# Altium PCB 智能马桶综合检测台_数据板V1.0.PcbDoc (part 2 of 8)
Units mil, origin at the board's own origin, x right, y up, seen from the top; angles counter-clockwise.
Board outline 5580 x 4007.36 mil, 2 copper layers (Top Layer, Bottom Layer); 109 components, 92 nets, 426 pads, 50 vias.
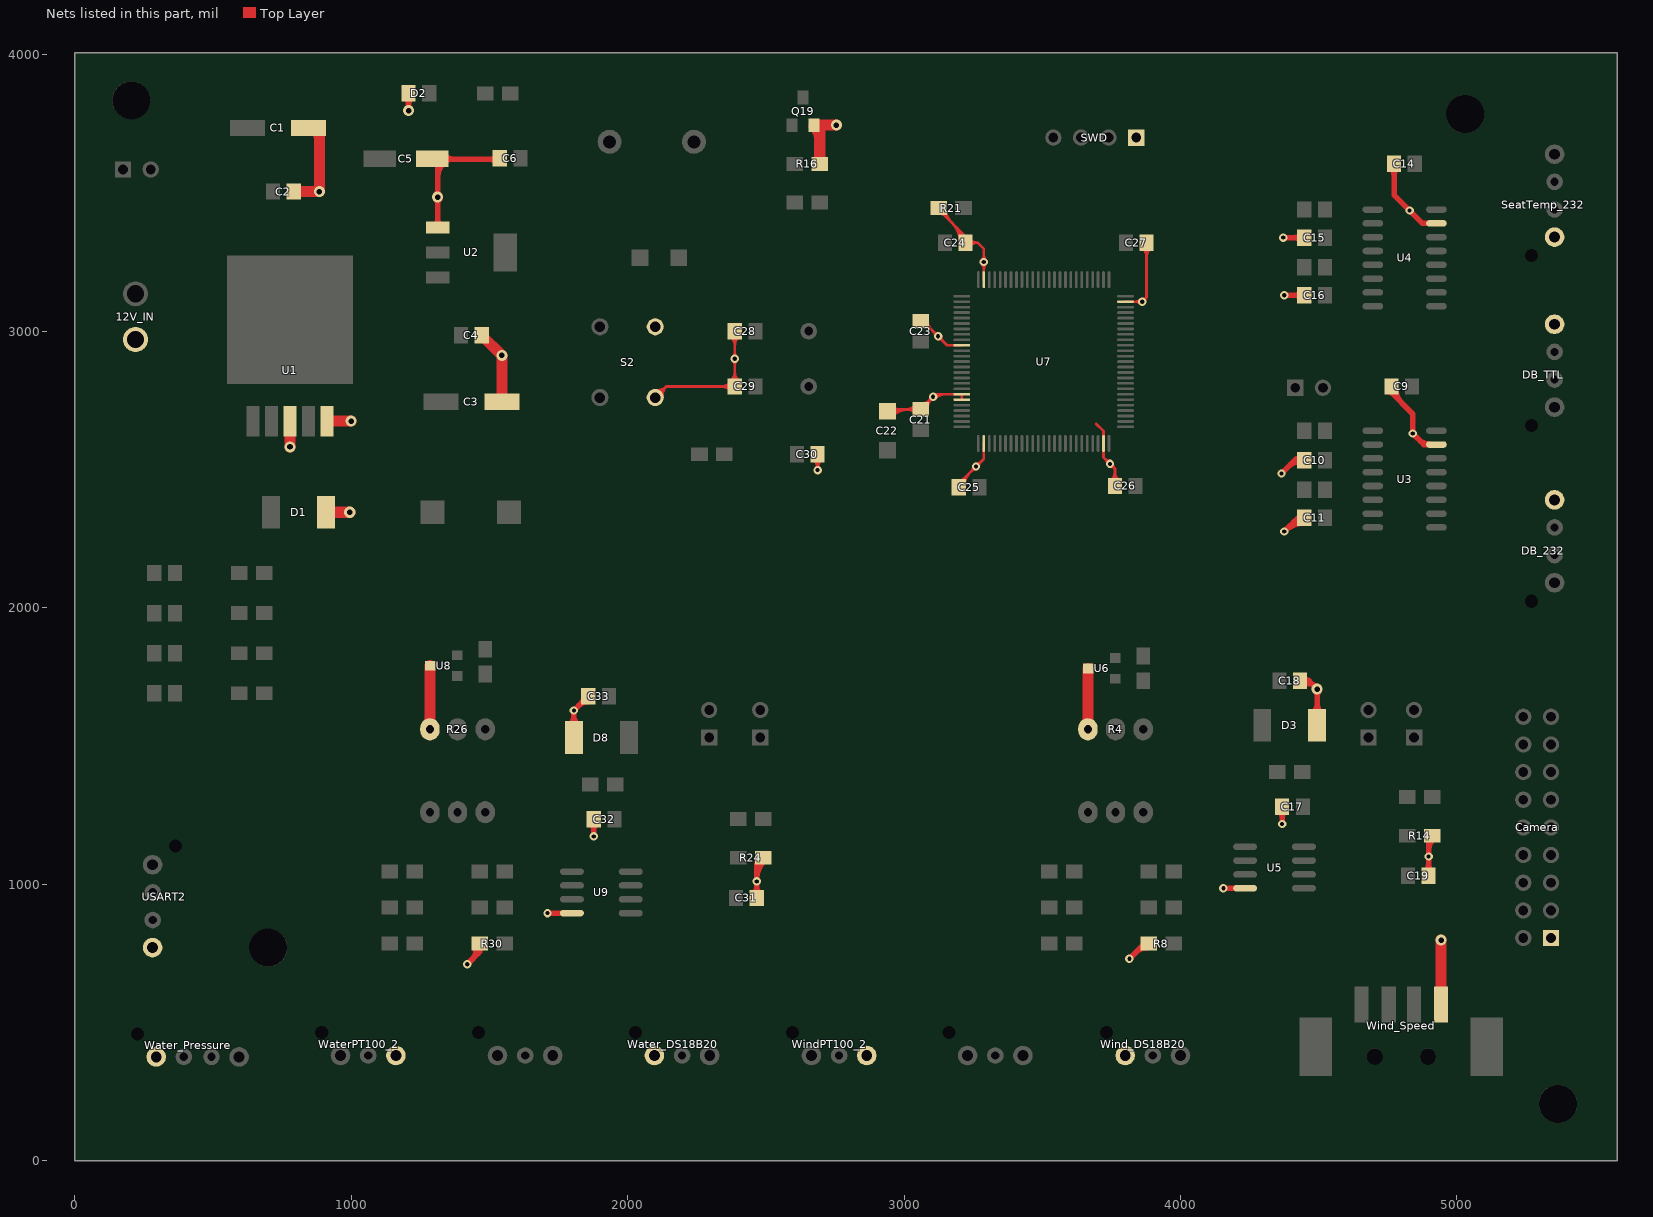
[diagram p2: the nets of this part, all layers, seen from the top]

## Via types
v1: diameter 30, hole 15, Top Layer to Bottom Layer, 31 vias
v2: diameter 40, hole 20, Top Layer to Bottom Layer, 19 vias

## Nets (pads, with @x,y where several pads share a name; then routed paths per layer and width w, separated by ;. In a path a pad name is that pad's centre, name@x,y a point inside that pad or via, vN(x,y) a via of type N, cw(c..) or ccw(c..) an arc to the next point about the centre after c; other vN are vias at no path point) (continued)
AGND: 12V_IN.2 C1.2 C2.1 C3.2 C4.1 C5.2 C6.1 C9.1 C10.1 C11.1 C14.1 C15.1 C16.1 C17.2 C18.1 C19.2 C21.1 C22.2 C23.2 C24.2 C25.2 C26.2 C27.2 C28.1 C29.1 C30.2 C31.2 C32.2 C33.1 Camera.1 D1.1 D2.2 D3.1 D8.1 DB_232.4 DB_TTL.4 Q19.2 R4.2 R8.2 R14.1 R16.2 R21.2 R24.1 R26.2 R30.2 S2.2 SeatTemp_232.1 SWD.1 U1.3@778.86,2675 U1.5 U2.1 U3.15 U4.15 U5.4 U6.3 U7.10 U7.19 U7.20 U7.27 U7.49 U7.74 U7.99 U8.3 U9.4 USART2.4 Water_DS18B20.1 Water_Pressure.1 WaterPT100_2.3 Wind_DS18B20.1 Wind_Speed.4 WindPT100_2.3 | length 32439.9
  Top Layer w10: S2.2@2100,2760 2140,2800 ; C28.1@2387.6,3000 C29.1@2387.6,2800 2140,2800 ; v1(2687.4,2497.4) C30.2@2687.4,2555 ; C22.2@2947.6,2717.4 C21.1@3060,2717.4 3114.49,2771.89 U7.19@3208.74,2771.89 U7.20@3208.74,2752.2 ; C23.2@3060,3037.4 3067.6,3037.4 3155.94,2949.06 U7.10@3208.74,2949.06 ; R21.2@3125,3445 3125,3440 3222.4,3342.6 C24.2@3222.4,3320 3265,3320 ; C25.2@3197.6,2435 3197.6,2447.6 3288.46,2538.46 U7.27@3288.46,2593.74 ; U7.99@3288.46,3186.26 3288.46,3296.54 3265,3320 ; 3695,2665 3721.54,2638.46 3721.54,2543.46 3762.6,2502.4 C26.2@3762.6,2440 ; U7.74@3801.26,3106.54 v1(3861.54,3106.54) 3877.4,3122.4 ; C27.2@3877.4,3320 3877.4,3122.4 ; S2.2@2101.22,2775.95 ccw(c2103.5,2805.73) 2124.61,2784.61 ; S2.2@2101.22,2775.95 ccw(c2103.5,2805.73) 2124.61,2784.61 ; S2.2@2101.22,2775.95 ccw(c2103.5,2805.73) 2124.61,2784.61 ; S2.2@2101.22,2775.95 ccw(c2103.5,2805.73) 2124.61,2784.61 ; S2.2@2101.22,2775.95 ccw(c2103.5,2805.73) 2124.61,2784.61 ; S2.2@2101.22,2775.95 ccw(c2103.5,2805.73) 2124.61,2784.61 ; S2.2@2101.98,2785.92 ccw(c2105.68,2834.32) 2140,2800 ; S2.2@2101.98,2785.92 ccw(c2105.68,2834.32) 2140,2800 ; S2.2@2101.98,2785.92 ccw(c2105.68,2834.32) 2140,2800 ; S2.2@2101.98,2785.92 ccw(c2105.68,2834.32) 2140,2800 ; S2.2@2101.98,2785.92 ccw(c2105.68,2834.32) 2140,2800 ; S2.2@2101.98,2785.92 ccw(c2105.68,2834.32) 2140,2800 ; S2.2@2115.95,2761.22 cw(c2145.73,2763.5) 2124.61,2784.61 ; S2.2@2115.95,2761.22 cw(c2145.73,2763.5) 2124.61,2784.61 ; S2.2@2115.95,2761.22 cw(c2145.73,2763.5) 2124.61,2784.61 ; S2.2@2115.95,2761.22 cw(c2145.73,2763.5) 2124.61,2784.61 ; S2.2@2115.95,2761.22 cw(c2145.73,2763.5) 2124.61,2784.61 ; S2.2@2115.95,2761.22 cw(c2145.73,2763.5) 2124.61,2784.61 ; S2.2@2125.92,2761.98 cw(c2174.32,2765.68) 2140,2800 ; S2.2@2125.92,2761.98 cw(c2174.32,2765.68) 2140,2800 ; S2.2@2125.92,2761.98 cw(c2174.32,2765.68) 2140,2800 ; S2.2@2125.92,2761.98 cw(c2174.32,2765.68) 2140,2800 ; S2.2@2125.92,2761.98 cw(c2174.32,2765.68) 2140,2800 ; S2.2@2125.92,2761.98 cw(c2174.32,2765.68) 2140,2800 ; 2337.89,2800 cw(c2337.89,2750.29) C29.1@2373.04,2785.44 ; 2337.89,2800 ccw(c2337.89,2849.71) C29.1@2373.04,2814.56 ; 2337.89,2800 ccw(c2337.89,2849.71) C29.1@2373.04,2814.56 ; 2337.89,2800 cw(c2337.89,2750.29) C29.1@2373.04,2785.44 ; 2337.89,2800 ccw(c2337.89,2849.71) C29.1@2373.04,2814.56 ; 2337.89,2800 cw(c2337.89,2750.29) C29.1@2373.04,2785.44 ; 2337.89,2800 ccw(c2337.89,2849.71) C29.1@2373.04,2814.56 ; 2337.89,2800 cw(c2337.89,2750.29) C29.1@2373.04,2785.44 ; 2337.89,2800 ccw(c2337.89,2849.71) C29.1@2373.04,2814.56 ; 2337.89,2800 cw(c2337.89,2750.29) C29.1@2373.04,2785.44 ; 2337.89,2800 ccw(c2337.89,2849.71) C29.1@2373.04,2814.56 ; 2337.89,2800 cw(c2337.89,2750.29) C29.1@2373.04,2785.44 ; C29.1@2373.04,2818.5 ccw(c2337.89,2853.65) 2387.6,2853.65 ; C29.1@2373.04,2818.5 ccw(c2337.89,2853.65) 2387.6,2853.65 ; C29.1@2373.04,2818.5 ccw(c2337.89,2853.65) 2387.6,2853.65 ; C29.1@2373.04,2818.5 ccw(c2337.89,2853.65) 2387.6,2853.65 ; C29.1@2373.04,2818.5 ccw(c2337.89,2853.65) 2387.6,2853.65 ; C29.1@2373.04,2818.5 ccw(c2337.89,2853.65) 2387.6,2853.65 ; C28.1@2373.04,2981.5 cw(c2337.89,2946.35) 2387.6,2946.35 ; C28.1@2373.04,2981.5 cw(c2337.89,2946.35) 2387.6,2946.35 ; C28.1@2373.04,2981.5 cw(c2337.89,2946.35) 2387.6,2946.35 ; C28.1@2373.04,2981.5 cw(c2337.89,2946.35) 2387.6,2946.35 ; C28.1@2373.04,2981.5 cw(c2337.89,2946.35) 2387.6,2946.35 ; C28.1@2373.04,2981.5 cw(c2337.89,2946.35) 2387.6,2946.35 ; v1@2380.53,2892.93 cw(c2363.46,2875.86) 2387.6,2875.86 ; v1@2380.53,2892.93 cw(c2363.46,2875.86) 2387.6,2875.86 ; v1@2380.53,2892.93 cw(c2363.46,2875.86) 2387.6,2875.86 ; v1@2380.53,2892.93 cw(c2363.46,2875.86) 2387.6,2875.86 ; v1@2380.53,2892.93 cw(c2363.46,2875.86) 2387.6,2875.86 ; v1@2380.53,2892.93 cw(c2363.46,2875.86) 2387.6,2875.86 ; v1@2380.53,2907.07 ccw(c2363.46,2924.14) 2387.6,2924.14 ; v1@2380.53,2907.07 ccw(c2363.46,2924.14) 2387.6,2924.14 ; v1@2380.53,2907.07 ccw(c2363.46,2924.14) 2387.6,2924.14 ; v1@2380.53,2907.07 ccw(c2363.46,2924.14) 2387.6,2924.14 ; v1@2380.53,2907.07 ccw(c2363.46,2924.14) 2387.6,2924.14 ; v1@2380.53,2907.07 ccw(c2363.46,2924.14) 2387.6,2924.14 ; 2387.6,2853.65 ccw(c2437.31,2853.65) C29.1@2402.16,2818.5 ; 2387.6,2853.65 ccw(c2437.31,2853.65) C29.1@2402.16,2818.5 ; 2387.6,2853.65 ccw(c2437.31,2853.65) C29.1@2402.16,2818.5 ; 2387.6,2853.65 ccw(c2437.31,2853.65) C29.1@2402.16,2818.5 ; 2387.6,2853.65 ccw(c2437.31,2853.65) C29.1@2402.16,2818.5 ; 2387.6,2853.65 ccw(c2437.31,2853.65) C29.1@2402.16,2818.5 ; 2387.6,2875.86 cw(c2411.74,2875.86) v1@2394.67,2892.93 ; 2387.6,2875.86 cw(c2411.74,2875.86) v1@2394.67,2892.93 ; 2387.6,2875.86 cw(c2411.74,2875.86) v1@2394.67,2892.93 ; 2387.6,2875.86 cw(c2411.74,2875.86) v1@2394.67,2892.93 ; 2387.6,2875.86 cw(c2411.74,2875.86) v1@2394.67,2892.93 ; 2387.6,2875.86 cw(c2411.74,2875.86) v1@2394.67,2892.93 ; 2387.6,2924.14 ccw(c2411.74,2924.14) v1@2394.67,2907.07 ; 2387.6,2924.14 ccw(c2411.74,2924.14) v1@2394.67,2907.07 ; 2387.6,2924.14 ccw(c2411.74,2924.14) v1@2394.67,2907.07 ; 2387.6,2924.14 ccw(c2411.74,2924.14) v1@2394.67,2907.07 ; 2387.6,2924.14 ccw(c2411.74,2924.14) v1@2394.67,2907.07 ; 2387.6,2924.14 ccw(c2411.74,2924.14) v1@2394.67,2907.07 ; 2387.6,2946.35 cw(c2437.31,2946.35) C28.1@2402.16,2981.5 ; 2387.6,2946.35 cw(c2437.31,2946.35) C28.1@2402.16,2981.5 ; 2387.6,2946.35 cw(c2437.31,2946.35) C28.1@2402.16,2981.5 ; 2387.6,2946.35 cw(c2437.31,2946.35) C28.1@2402.16,2981.5 ; 2387.6,2946.35 cw(c2437.31,2946.35) C28.1@2402.16,2981.5 ; 2387.6,2946.35 cw(c2437.31,2946.35) C28.1@2402.16,2981.5 ; C30.2@2672.84,2536.5 cw(c2637.69,2501.35) v1@2687.4,2501.35 ; C30.2@2672.84,2536.5 cw(c2637.69,2501.35) v1@2687.4,2501.35 ; C30.2@2672.84,2536.5 cw(c2637.69,2501.35) v1@2687.4,2501.35 ; C30.2@2672.84,2536.5 cw(c2637.69,2501.35) v1@2687.4,2501.35 ; C30.2@2672.84,2536.5 cw(c2637.69,2501.35) v1@2687.4,2501.35 ; C30.2@2672.84,2536.5 cw(c2637.69,2501.35) v1@2687.4,2501.35 ; v1@2680.33,2504.47 ccw(c2663.26,2521.54) 2687.4,2521.54 ; v1@2680.33,2504.47 ccw(c2663.26,2521.54) 2687.4,2521.54 ; v1@2680.33,2504.47 ccw(c2663.26,2521.54) 2687.4,2521.54 ; v1@2680.33,2504.47 ccw(c2663.26,2521.54) 2687.4,2521.54 ; v1@2680.33,2504.47 ccw(c2663.26,2521.54) 2687.4,2521.54 ; v1@2680.33,2504.47 ccw(c2663.26,2521.54) 2687.4,2521.54 ; v1@2687.4,2501.35 cw(c2737.11,2501.35) C30.2@2701.96,2536.5 ; v1@2687.4,2501.35 cw(c2737.11,2501.35) C30.2@2701.96,2536.5 ; v1@2687.4,2501.35 cw(c2737.11,2501.35) C30.2@2701.96,2536.5 ; v1@2687.4,2501.35 cw(c2737.11,2501.35) C30.2@2701.96,2536.5 ; v1@2687.4,2501.35 cw(c2737.11,2501.35) C30.2@2701.96,2536.5 ; v1@2687.4,2501.35 cw(c2737.11,2501.35) C30.2@2701.96,2536.5 ; 2687.4,2521.54 ccw(c2711.54,2521.54) v1@2694.47,2504.47 ; 2687.4,2521.54 ccw(c2711.54,2521.54) v1@2694.47,2504.47 ; 2687.4,2521.54 ccw(c2711.54,2521.54) v1@2694.47,2504.47 ; 2687.4,2521.54 ccw(c2711.54,2521.54) v1@2694.47,2504.47 ; 2687.4,2521.54 ccw(c2711.54,2521.54) v1@2694.47,2504.47 ; 2687.4,2521.54 ccw(c2711.54,2521.54) v1@2694.47,2504.47 ; C22.2@2943.54,2706.46 cw(c2969.94,2680.06) C22.2@2969.94,2717.4 ; C22.2@2943.54,2706.46 cw(c2969.94,2680.06) C22.2@2969.94,2717.4 ; C22.2@2943.54,2706.46 cw(c2969.94,2680.06) C22.2@2969.94,2717.4 ; C22.2@2943.54,2706.46 cw(c2969.94,2680.06) C22.2@2969.94,2717.4 ; C22.2@2943.54,2706.46 cw(c2969.94,2680.06) C22.2@2969.94,2717.4 ; C22.2@2943.54,2706.46 cw(c2969.94,2680.06) C22.2@2969.94,2717.4 ; C22.2@2950.61,2699.39 cw(c2994.08,2655.92) 2994.08,2717.4 ; C22.2@2950.61,2699.39 cw(c2994.08,2655.92) 2994.08,2717.4 ; C22.2@2950.61,2699.39 cw(c2994.08,2655.92) 2994.08,2717.4 ; C22.2@2950.61,2699.39 cw(c2994.08,2655.92) 2994.08,2717.4 ; C22.2@2950.61,2699.39 cw(c2994.08,2655.92) 2994.08,2717.4 ; C22.2@2950.61,2699.39 cw(c2994.08,2655.92) 2994.08,2717.4 ; C22.2@2957.68,2692.32 cw(c3018.22,2631.78) 3018.22,2717.4 ; C22.2@2957.68,2692.32 cw(c3018.22,2631.78) 3018.22,2717.4 ; C22.2@2957.68,2692.32 cw(c3018.22,2631.78) 3018.22,2717.4 ; C22.2@2957.68,2692.32 cw(c3018.22,2631.78) 3018.22,2717.4 ; C22.2@2957.68,2692.32 cw(c3018.22,2631.78) 3018.22,2717.4 ; C22.2@2957.68,2692.32 cw(c3018.22,2631.78) 3018.22,2717.4 ; C22.2@2957.68,2727.68 ccw(c2982.49,2752.49) 2982.49,2717.4 ; C22.2@2957.68,2727.68 ccw(c2982.49,2752.49) 2982.49,2717.4 ; C22.2@2957.68,2727.68 ccw(c2982.49,2752.49) 2982.49,2717.4 ; C22.2@2957.68,2727.68 ccw(c2982.49,2752.49) 2982.49,2717.4 ; C22.2@2957.68,2727.68 ccw(c2982.49,2752.49) 2982.49,2717.4 ; C22.2@2957.68,2727.68 ccw(c2982.49,2752.49) 2982.49,2717.4 ; 3006.35,2717.4 cw(c3006.35,2667.69) C21.1@3041.5,2702.84 ; 3006.35,2717.4 ccw(c3006.35,2767.11) C21.1@3041.5,2731.96 ; 3006.35,2717.4 ccw(c3006.35,2767.11) C21.1@3041.5,2731.96 ; 3006.35,2717.4 cw(c3006.35,2667.69) C21.1@3041.5,2702.84 ; 3006.35,2717.4 ccw(c3006.35,2767.11) C21.1@3041.5,2731.96 ; 3006.35,2717.4 cw(c3006.35,2667.69) C21.1@3041.5,2702.84 ; 3006.35,2717.4 ccw(c3006.35,2767.11) C21.1@3041.5,2731.96 ; 3006.35,2717.4 cw(c3006.35,2667.69) C21.1@3041.5,2702.84 ; 3006.35,2717.4 ccw(c3006.35,2767.11) C21.1@3041.5,2731.96 ; 3006.35,2717.4 cw(c3006.35,2667.69) C21.1@3041.5,2702.84 ; 3006.35,2717.4 ccw(c3006.35,2767.11) C21.1@3041.5,2731.96 ; 3006.35,2717.4 cw(c3006.35,2667.69) C21.1@3041.5,2702.84 ; C21.1@3063.94,2737.99 ccw(c3063.94,2778.2) 3092.37,2749.77 ; C21.1@3063.94,2737.99 ccw(c3063.94,2778.2) 3092.37,2749.77 ; C21.1@3063.94,2737.99 ccw(c3063.94,2778.2) 3092.37,2749.77 ; C21.1@3063.94,2737.99 ccw(c3063.94,2778.2) 3092.37,2749.77 ; C21.1@3063.94,2737.99 ccw(c3063.94,2778.2) 3092.37,2749.77 ; C21.1@3063.94,2737.99 ccw(c3063.94,2778.2) 3092.37,2749.77 ; C23.2@3063.94,3016.81 cw(c3063.94,2958.26) 3105.34,2999.66 ; C23.2@3063.94,3016.81 cw(c3063.94,2958.26) 3105.34,2999.66 ; C23.2@3063.94,3016.81 cw(c3063.94,2958.26) 3105.34,2999.66 ; C23.2@3063.94,3016.81 cw(c3063.94,2958.26) 3105.34,2999.66 ; C23.2@3063.94,3016.81 cw(c3063.94,2958.26) 3105.34,2999.66 ; C23.2@3063.94,3016.81 cw(c3063.94,2958.26) 3105.34,2999.66 ; C23.2@3063.94,3026.81 cw(c3063.94,2992.4) C23.2@3088.27,3016.73 ; C23.2@3063.94,3026.81 cw(c3063.94,2992.4) C23.2@3088.27,3016.73 ; C23.2@3063.94,3026.81 cw(c3063.94,2992.4) C23.2@3088.27,3016.73 ; C23.2@3063.94,3026.81 cw(c3063.94,2992.4) C23.2@3088.27,3016.73 ; C23.2@3063.94,3026.81 cw(c3063.94,2992.4) C23.2@3088.27,3016.73 ; C23.2@3063.94,3026.81 cw(c3063.94,2992.4) C23.2@3088.27,3016.73 ; C21.1@3074.53,2717.4 cw(c3109.6,2717.4) C21.1@3084.8,2742.2 ; C21.1@3074.53,2717.4 cw(c3109.6,2717.4) C21.1@3084.8,2742.2 ; C21.1@3074.53,2717.4 cw(c3109.6,2717.4) C21.1@3084.8,2742.2 ; C21.1@3074.53,2717.4 cw(c3109.6,2717.4) C21.1@3084.8,2742.2 ; C21.1@3074.53,2717.4 cw(c3109.6,2717.4) C21.1@3084.8,2742.2 ; C21.1@3074.53,2717.4 cw(c3109.6,2717.4) C21.1@3084.8,2742.2 ; C21.1@3084.53,2717.4 cw(c3143.74,2717.4) v1@3101.87,2759.27 ; C21.1@3084.53,2717.4 cw(c3143.74,2717.4) v1@3101.87,2759.27 ; C21.1@3084.53,2717.4 cw(c3143.74,2717.4) v1@3101.87,2759.27 ; C21.1@3084.53,2717.4 cw(c3143.74,2717.4) v1@3101.87,2759.27 ; C21.1@3084.53,2717.4 cw(c3143.74,2717.4) v1@3101.87,2759.27 ; C21.1@3084.53,2717.4 cw(c3143.74,2717.4) v1@3101.87,2759.27 ; C23.2@3084.53,3037.4 ccw(c3125.4,3037.4) 3096.5,3008.5 ; C23.2@3084.53,3037.4 ccw(c3125.4,3037.4) 3096.5,3008.5 ; C23.2@3084.53,3037.4 ccw(c3125.4,3037.4) 3096.5,3008.5 ; C23.2@3084.53,3037.4 ccw(c3125.4,3037.4) 3096.5,3008.5 ; C23.2@3084.53,3037.4 ccw(c3125.4,3037.4) 3096.5,3008.5 ; C23.2@3084.53,3037.4 ccw(c3125.4,3037.4) 3096.5,3008.5 ; 3088.16,2745.56 cw(c3105.23,2728.49) v1@3105.23,2752.63 ; 3088.16,2745.56 ccw(c3071.08,2762.63) v1@3095.23,2762.63 ; 3088.16,2745.56 ccw(c3071.08,2762.63) v1@3095.23,2762.63 ; 3088.16,2745.56 cw(c3105.23,2728.49) v1@3105.23,2752.63 ; 3088.16,2745.56 ccw(c3071.08,2762.63) v1@3095.23,2762.63 ; 3088.16,2745.56 cw(c3105.23,2728.49) v1@3105.23,2752.63 ; 3088.16,2745.56 ccw(c3071.08,2762.63) v1@3095.23,2762.63 ; 3088.16,2745.56 cw(c3105.23,2728.49) v1@3105.23,2752.63 ; 3088.16,2745.56 ccw(c3071.08,2762.63) v1@3095.23,2762.63 ; 3088.16,2745.56 cw(c3105.23,2728.49) v1@3105.23,2752.63 ; 3088.16,2745.56 ccw(c3071.08,2762.63) v1@3095.23,2762.63 ; 3088.16,2745.56 cw(c3105.23,2728.49) v1@3105.23,2752.63 ; v1(3105.23,2762.63) cw(c3127.59,2740.27) 3127.59,2771.89 ; v1(3105.23,2762.63) cw(c3127.59,2740.27) 3127.59,2771.89 ; v1(3105.23,2762.63) cw(c3127.59,2740.27) 3127.59,2771.89 ; v1(3105.23,2762.63) cw(c3127.59,2740.27) 3127.59,2771.89 ; v1(3105.23,2762.63) cw(c3127.59,2740.27) 3127.59,2771.89 ; v1(3105.23,2762.63) cw(c3127.59,2740.27) 3127.59,2771.89 ; 3106.3,2998.7 cw(c3089.23,2981.63) v1@3113.37,2981.63 ; 3106.3,2998.7 ccw(c3123.37,3015.77) v1@3123.37,2991.63 ; 3106.3,2998.7 ccw(c3123.37,3015.77) v1@3123.37,2991.63 ; 3106.3,2998.7 cw(c3089.23,2981.63) v1@3113.37,2981.63 ; 3106.3,2998.7 ccw(c3123.37,3015.77) v1@3123.37,2991.63 ; 3106.3,2998.7 cw(c3089.23,2981.63) v1@3113.37,2981.63 ; 3106.3,2998.7 ccw(c3123.37,3015.77) v1@3123.37,2991.63 ; 3106.3,2998.7 cw(c3089.23,2981.63) v1@3113.37,2981.63 ; 3106.3,2998.7 ccw(c3123.37,3015.77) v1@3123.37,2991.63 ; 3106.3,2998.7 cw(c3089.23,2981.63) v1@3113.37,2981.63 ; 3106.3,2998.7 ccw(c3123.37,3015.77) v1@3123.37,2991.63 ; 3106.3,2998.7 cw(c3089.23,2981.63) v1@3113.37,2981.63 ; v1@3112.3,2755.56 cw(c3151.73,2716.13) 3151.73,2771.89 ; v1@3112.3,2755.56 cw(c3151.73,2716.13) 3151.73,2771.89 ; v1@3112.3,2755.56 cw(c3151.73,2716.13) 3151.73,2771.89 ; v1@3112.3,2755.56 cw(c3151.73,2716.13) 3151.73,2771.89 ; v1@3112.3,2755.56 cw(c3151.73,2716.13) 3151.73,2771.89 ; v1@3112.3,2755.56 cw(c3151.73,2716.13) 3151.73,2771.89 ; v1@3123.37,2971.63 cw(c3123.37,2947.49) 3140.44,2964.56 ; v1@3123.37,2971.63 cw(c3123.37,2947.49) 3140.44,2964.56 ; v1@3123.37,2971.63 cw(c3123.37,2947.49) 3140.44,2964.56 ; v1@3123.37,2971.63 cw(c3123.37,2947.49) 3140.44,2964.56 ; v1@3123.37,2971.63 cw(c3123.37,2947.49) 3140.44,2964.56 ; v1@3123.37,2971.63 cw(c3123.37,2947.49) 3140.44,2964.56 ; R21.2@3130,3425 cw(c3130,3400.86) 3147.07,3417.93 ; R21.2@3130,3425 cw(c3130,3400.86) 3147.07,3417.93 ; R21.2@3130,3425 cw(c3130,3400.86) 3147.07,3417.93 ; R21.2@3130,3425 cw(c3130,3400.86) 3147.07,3417.93 ; R21.2@3130,3425 cw(c3130,3400.86) 3147.07,3417.93 ; R21.2@3130,3425 cw(c3130,3400.86) 3147.07,3417.93 ; v1@3133.37,2981.63 ccw(c3157.51,2981.63) 3140.44,2964.56 ; v1@3133.37,2981.63 ccw(c3157.51,2981.63) 3140.44,2964.56 ; v1@3133.37,2981.63 ccw(c3157.51,2981.63) 3140.44,2964.56 ; v1@3133.37,2981.63 ccw(c3157.51,2981.63) 3140.44,2964.56 ; v1@3133.37,2981.63 ccw(c3157.51,2981.63) 3140.44,2964.56 ; v1@3133.37,2981.63 ccw(c3157.51,2981.63) 3140.44,2964.56 ; R21.2@3140,3445 ccw(c3188.28,3445) 3154.14,3410.86 ; R21.2@3140,3445 ccw(c3188.28,3445) 3154.14,3410.86 ; R21.2@3140,3445 ccw(c3188.28,3445) 3154.14,3410.86 ; R21.2@3140,3445 ccw(c3188.28,3445) 3154.14,3410.86 ; R21.2@3140,3445 ccw(c3188.28,3445) 3154.14,3410.86 ; R21.2@3140,3445 ccw(c3188.28,3445) 3154.14,3410.86 ; R21.2@3150,3445 ccw(c3222.43,3445) 3171.21,3393.79 ; R21.2@3150,3445 ccw(c3222.43,3445) 3171.21,3393.79 ; R21.2@3150,3445 ccw(c3222.43,3445) 3171.21,3393.79 ; R21.2@3150,3445 ccw(c3222.43,3445) 3171.21,3393.79 ; R21.2@3150,3445 ccw(c3222.43,3445) 3171.21,3393.79 ; R21.2@3150,3445 ccw(c3222.43,3445) 3171.21,3393.79 ; 3174.06,3390.94 cw(c3107.05,3323.94) C24.2@3201.81,3323.94 ; 3174.06,3390.94 cw(c3107.05,3323.94) C24.2@3201.81,3323.94 ; 3174.06,3390.94 cw(c3107.05,3323.94) C24.2@3201.81,3323.94 ; 3174.06,3390.94 cw(c3107.05,3323.94) C24.2@3201.81,3323.94 ; 3174.06,3390.94 cw(c3107.05,3323.94) C24.2@3201.81,3323.94 ; 3174.06,3390.94 cw(c3107.05,3323.94) C24.2@3201.81,3323.94 ; 3191.13,3373.87 cw(c3141.19,3323.94) C24.2@3211.81,3323.94 ; 3191.13,3373.87 cw(c3141.19,3323.94) C24.2@3211.81,3323.94 ; 3191.13,3373.87 cw(c3141.19,3323.94) C24.2@3211.81,3323.94 ; 3191.13,3373.87 cw(c3141.19,3323.94) C24.2@3211.81,3323.94 ; 3191.13,3373.87 cw(c3141.19,3323.94) C24.2@3211.81,3323.94 ; 3191.13,3373.87 cw(c3141.19,3323.94) C24.2@3211.81,3323.94 ; C25.2@3197.6,2459.53 ccw(c3197.6,2488.33) 3217.96,2467.96 ; C25.2@3197.6,2459.53 ccw(c3197.6,2488.33) 3217.96,2467.96 ; C25.2@3197.6,2459.53 ccw(c3197.6,2488.33) 3217.96,2467.96 ; C25.2@3197.6,2459.53 ccw(c3197.6,2488.33) 3217.96,2467.96 ; C25.2@3197.6,2459.53 ccw(c3197.6,2488.33) 3217.96,2467.96 ; C25.2@3197.6,2459.53 ccw(c3197.6,2488.33) 3217.96,2467.96 ; C25.2@3208.19,2438.94 cw(c3254.67,2438.94) 3221.8,2471.8 ; C25.2@3208.19,2438.94 cw(c3254.67,2438.94) 3221.8,2471.8 ; C25.2@3208.19,2438.94 cw(c3254.67,2438.94) 3221.8,2471.8 ; C25.2@3208.19,2438.94 cw(c3254.67,2438.94) 3221.8,2471.8 ; C25.2@3208.19,2438.94 cw(c3254.67,2438.94) 3221.8,2471.8 ; C25.2@3208.19,2438.94 cw(c3254.67,2438.94) 3221.8,2471.8 ; 3208.2,3356.8 cw(c3175.33,3323.94) C24.2@3221.81,3323.94 ; 3208.2,3356.8 cw(c3175.33,3323.94) C24.2@3221.81,3323.94 ; 3208.2,3356.8 cw(c3175.33,3323.94) C24.2@3221.81,3323.94 ; 3208.2,3356.8 cw(c3175.33,3323.94) C24.2@3221.81,3323.94 ; 3208.2,3356.8 cw(c3175.33,3323.94) C24.2@3221.81,3323.94 ; 3208.2,3356.8 cw(c3175.33,3323.94) C24.2@3221.81,3323.94 ; C25.2@3218.19,2438.94 cw(c3288.81,2438.94) 3238.87,2488.87 ; C25.2@3218.19,2438.94 cw(c3288.81,2438.94) 3238.87,2488.87 ; C25.2@3218.19,2438.94 cw(c3288.81,2438.94) 3238.87,2488.87 ; C25.2@3218.19,2438.94 cw(c3288.81,2438.94) 3238.87,2488.87 ; C25.2@3218.19,2438.94 cw(c3288.81,2438.94) 3238.87,2488.87 ; C25.2@3218.19,2438.94 cw(c3288.81,2438.94) 3238.87,2488.87 ; C24.2@3238.54,3307.21 cw(c3265,3286.23) 3265,3320 ; C24.2@3238.54,3307.21 cw(c3265,3286.23) 3265,3320 ; C24.2@3238.54,3307.21 cw(c3265,3286.23) 3265,3320 ; C24.2@3238.54,3307.21 cw(c3265,3286.23) 3265,3320 ; C24.2@3238.54,3307.21 cw(c3265,3286.23) 3265,3320 ; C24.2@3238.54,3307.21 cw(c3265,3286.23) 3265,3320 ; C24.2@3238.54,3332.79 ccw(c3265,3353.77) 3265,3320 ; C24.2@3238.54,3332.79 ccw(c3265,3353.77) 3265,3320 ; C24.2@3238.54,3332.79 ccw(c3265,3353.77) 3265,3320 ; C24.2@3238.54,3332.79 ccw(c3265,3353.77) 3265,3320 ; C24.2@3238.54,3332.79 ccw(c3265,3353.77) 3265,3320 ; C24.2@3238.54,3332.79 ccw(c3265,3353.77) 3265,3320 ; 3243.27,2493.27 cw(c3260.34,2476.2) v1@3260.34,2500.34 ; 3243.27,2493.27 ccw(c3226.2,2510.34) v1@3250.34,2510.34 ; 3243.27,2493.27 ccw(c3226.2,2510.34) v1@3250.34,2510.34 ; 3243.27,2493.27 cw(c3260.34,2476.2) v1@3260.34,2500.34 ; 3243.27,2493.27 ccw(c3226.2,2510.34) v1@3250.34,2510.34 ; 3243.27,2493.27 cw(c3260.34,2476.2) v1@3260.34,2500.34 ; 3243.27,2493.27 ccw(c3226.2,2510.34) v1@3250.34,2510.34 ; 3243.27,2493.27 cw(c3260.34,2476.2) v1@3260.34,2500.34 ; 3243.27,2493.27 ccw(c3226.2,2510.34) v1@3250.34,2510.34 ; 3243.27,2493.27 cw(c3260.34,2476.2) v1@3260.34,2500.34 ; 3243.27,2493.27 ccw(c3226.2,2510.34) v1@3250.34,2510.34 ; 3243.27,2493.27 cw(c3260.34,2476.2) v1@3260.34,2500.34 ; v1@3260.34,2520.34 ccw(c3260.34,2544.49) 3277.41,2527.41 ; v1@3260.34,2520.34 ccw(c3260.34,2544.49) 3277.41,2527.41 ; v1@3260.34,2520.34 ccw(c3260.34,2544.49) 3277.41,2527.41 ; v1@3260.34,2520.34 ccw(c3260.34,2544.49) 3277.41,2527.41 ; v1@3260.34,2520.34 ccw(c3260.34,2544.49) 3277.41,2527.41 ; v1@3260.34,2520.34 ccw(c3260.34,2544.49) 3277.41,2527.41 ; v1@3270.34,2510.34 cw(c3294.49,2510.34) 3277.41,2527.41 ; v1@3270.34,2510.34 cw(c3294.49,2510.34) 3277.41,2527.41 ; v1@3270.34,2510.34 cw(c3294.49,2510.34) 3277.41,2527.41 ; v1@3270.34,2510.34 cw(c3294.49,2510.34) 3277.41,2527.41 ; v1@3270.34,2510.34 cw(c3294.49,2510.34) 3277.41,2527.41 ; v1@3270.34,2510.34 cw(c3294.49,2510.34) 3277.41,2527.41 ; v1@3281.39,3242.93 cw(c3264.32,3225.86) 3288.46,3225.86 ; v1@3281.39,3242.93 cw(c3264.32,3225.86) 3288.46,3225.86 ; v1@3281.39,3242.93 cw(c3264.32,3225.86) 3288.46,3225.86 ; v1@3281.39,3242.93 cw(c3264.32,3225.86) 3288.46,3225.86 ; v1@3281.39,3242.93 cw(c3264.32,3225.86) 3288.46,3225.86 ; v1@3281.39,3242.93 cw(c3264.32,3225.86) 3288.46,3225.86 ; v1@3281.39,3257.07 ccw(c3264.32,3274.14) 3288.46,3274.14 ; v1@3281.39,3257.07 ccw(c3264.32,3274.14) 3288.46,3274.14 ; v1@3281.39,3257.07 ccw(c3264.32,3274.14) 3288.46,3274.14 ; v1@3281.39,3257.07 ccw(c3264.32,3274.14) 3288.46,3274.14 ; v1@3281.39,3257.07 ccw(c3264.32,3274.14) 3288.46,3274.14 ; v1@3281.39,3257.07 ccw(c3264.32,3274.14) 3288.46,3274.14 ; 3288.46,3225.86 cw(c3312.61,3225.86) v1@3295.54,3242.93 ; 3288.46,3225.86 cw(c3312.61,3225.86) v1@3295.54,3242.93 ; 3288.46,3225.86 cw(c3312.61,3225.86) v1@3295.54,3242.93 ; 3288.46,3225.86 cw(c3312.61,3225.86) v1@3295.54,3242.93 ; 3288.46,3225.86 cw(c3312.61,3225.86) v1@3295.54,3242.93 ; 3288.46,3225.86 cw(c3312.61,3225.86) v1@3295.54,3242.93 ; 3288.46,3274.14 ccw(c3312.61,3274.14) v1@3295.54,3257.07 ; 3288.46,3274.14 ccw(c3312.61,3274.14) v1@3295.54,3257.07 ; 3288.46,3274.14 ccw(c3312.61,3274.14) v1@3295.54,3257.07 ; 3288.46,3274.14 ccw(c3312.61,3274.14) v1@3295.54,3257.07 ; 3288.46,3274.14 ccw(c3312.61,3274.14) v1@3295.54,3257.07 ; 3288.46,3274.14 ccw(c3312.61,3274.14) v1@3295.54,3257.07 ; 3727.93,2537.07 cw(c3710.86,2520) v1@3735,2520 ; 3727.93,2537.07 ccw(c3745,2554.14) v1@3745,2530 ; 3727.93,2537.07 ccw(c3745,2554.14) v1@3745,2530 ; 3727.93,2537.07 cw(c3710.86,2520) v1@3735,2520 ; 3727.93,2537.07 ccw(c3745,2554.14) v1@3745,2530 ; 3727.93,2537.07 cw(c3710.86,2520) v1@3735,2520 ; 3727.93,2537.07 ccw(c3745,2554.14) v1@3745,2530 ; 3727.93,2537.07 cw(c3710.86,2520) v1@3735,2520 ; 3727.93,2537.07 ccw(c3745,2554.14) v1@3745,2530 ; 3727.93,2537.07 cw(c3710.86,2520) v1@3735,2520 ; 3727.93,2537.07 ccw(c3745,2554.14) v1@3745,2530 ; 3727.93,2537.07 cw(c3710.86,2520) v1@3735,2520 ; v1@3745,2510 cw(c3745,2485.86) 3762.07,2502.93 ; v1@3745,2510 cw(c3745,2485.86) 3762.07,2502.93 ; v1@3745,2510 cw(c3745,2485.86) 3762.07,2502.93 ; v1@3745,2510 cw(c3745,2485.86) 3762.07,2502.93 ; v1@3745,2510 cw(c3745,2485.86) 3762.07,2502.93 ; v1@3745,2510 cw(c3745,2485.86) 3762.07,2502.93 ; C26.2@3748.04,2458.5 ccw(c3712.89,2493.65) 3762.6,2493.65 ; C26.2@3748.04,2458.5 ccw(c3712.89,2493.65) 3762.6,2493.65 ; C26.2@3748.04,2458.5 ccw(c3712.89,2493.65) 3762.6,2493.65 ; C26.2@3748.04,2458.5 ccw(c3712.89,2493.65) 3762.6,2493.65 ; C26.2@3748.04,2458.5 ccw(c3712.89,2493.65) 3762.6,2493.65 ; C26.2@3748.04,2458.5 ccw(c3712.89,2493.65) 3762.6,2493.65 ; v1@3755,2520 ccw(c3779.14,2520) 3762.07,2502.93 ; v1@3755,2520 ccw(c3779.14,2520) 3762.07,2502.93 ; v1@3755,2520 ccw(c3779.14,2520) 3762.07,2502.93 ; v1@3755,2520 ccw(c3779.14,2520) 3762.07,2502.93 ; v1@3755,2520 ccw(c3779.14,2520) 3762.07,2502.93 ; v1@3755,2520 ccw(c3779.14,2520) 3762.07,2502.93 ; 3762.6,2493.65 ccw(c3812.31,2493.65) C26.2@3777.16,2458.5 ; 3762.6,2493.65 ccw(c3812.31,2493.65) C26.2@3777.16,2458.5 ; 3762.6,2493.65 ccw(c3812.31,2493.65) C26.2@3777.16,2458.5 ; 3762.6,2493.65 ccw(c3812.31,2493.65) C26.2@3777.16,2458.5 ; 3762.6,2493.65 ccw(c3812.31,2493.65) C26.2@3777.16,2458.5 ; 3762.6,2493.65 ccw(c3812.31,2493.65) C26.2@3777.16,2458.5 ; 3837.39,3106.54 cw(c3837.39,3082.39) v1@3854.46,3099.46 ; 3837.39,3106.54 ccw(c3837.39,3130.68) v1@3854.46,3113.61 ; 3837.39,3106.54 ccw(c3837.39,3130.68) v1@3854.46,3113.61 ; 3837.39,3106.54 cw(c3837.39,3082.39) v1@3854.46,3099.46 ; 3837.39,3106.54 ccw(c3837.39,3130.68) v1@3854.46,3113.61 ; 3837.39,3106.54 cw(c3837.39,3082.39) v1@3854.46,3099.46 ; 3837.39,3106.54 ccw(c3837.39,3130.68) v1@3854.46,3113.61 ; 3837.39,3106.54 cw(c3837.39,3082.39) v1@3854.46,3099.46 ; 3837.39,3106.54 ccw(c3837.39,3130.68) v1@3854.46,3113.61 ; 3837.39,3106.54 cw(c3837.39,3082.39) v1@3854.46,3099.46 ; 3837.39,3106.54 ccw(c3837.39,3130.68) v1@3854.46,3113.61 ; 3837.39,3106.54 cw(c3837.39,3082.39) v1@3854.46,3099.46 ; v1@3862.07,3116.52 ccw(c3863.14,3136.66) 3877.4,3122.4 ; v1@3862.07,3116.52 ccw(c3863.14,3136.66) 3877.4,3122.4 ; v1@3862.07,3116.52 ccw(c3863.14,3136.66) 3877.4,3122.4 ; v1@3862.07,3116.52 ccw(c3863.14,3136.66) 3877.4,3122.4 ; v1@3862.07,3116.52 ccw(c3863.14,3136.66) 3877.4,3122.4 ; v1@3862.07,3116.52 ccw(c3863.14,3136.66) 3877.4,3122.4 ; C27.2@3862.84,3301.5 cw(c3827.69,3266.35) 3877.4,3266.35 ; C27.2@3862.84,3301.5 cw(c3827.69,3266.35) 3877.4,3266.35 ; C27.2@3862.84,3301.5 cw(c3827.69,3266.35) 3877.4,3266.35 ; C27.2@3862.84,3301.5 cw(c3827.69,3266.35) 3877.4,3266.35 ; C27.2@3862.84,3301.5 cw(c3827.69,3266.35) 3877.4,3266.35 ; C27.2@3862.84,3301.5 cw(c3827.69,3266.35) 3877.4,3266.35 ; v1@3871.52,3107.07 cw(c3891.66,3108.14) 3877.4,3122.4 ; v1@3871.52,3107.07 cw(c3891.66,3108.14) 3877.4,3122.4 ; v1@3871.52,3107.07 cw(c3891.66,3108.14) 3877.4,3122.4 ; v1@3871.52,3107.07 cw(c3891.66,3108.14) 3877.4,3122.4 ; v1@3871.52,3107.07 cw(c3891.66,3108.14) 3877.4,3122.4 ; v1@3871.52,3107.07 cw(c3891.66,3108.14) 3877.4,3122.4 ; 3877.4,3266.35 cw(c3927.11,3266.35) C27.2@3891.96,3301.5 ; 3877.4,3266.35 cw(c3927.11,3266.35) C27.2@3891.96,3301.5 ; 3877.4,3266.35 cw(c3927.11,3266.35) C27.2@3891.96,3301.5 ; 3877.4,3266.35 cw(c3927.11,3266.35) C27.2@3891.96,3301.5 ; 3877.4,3266.35 cw(c3927.11,3266.35) C27.2@3891.96,3301.5 ; 3877.4,3266.35 cw(c3927.11,3266.35) C27.2@3891.96,3301.5